# KiCad board Latest-Full-Backplane.kicad_pcb (continued)
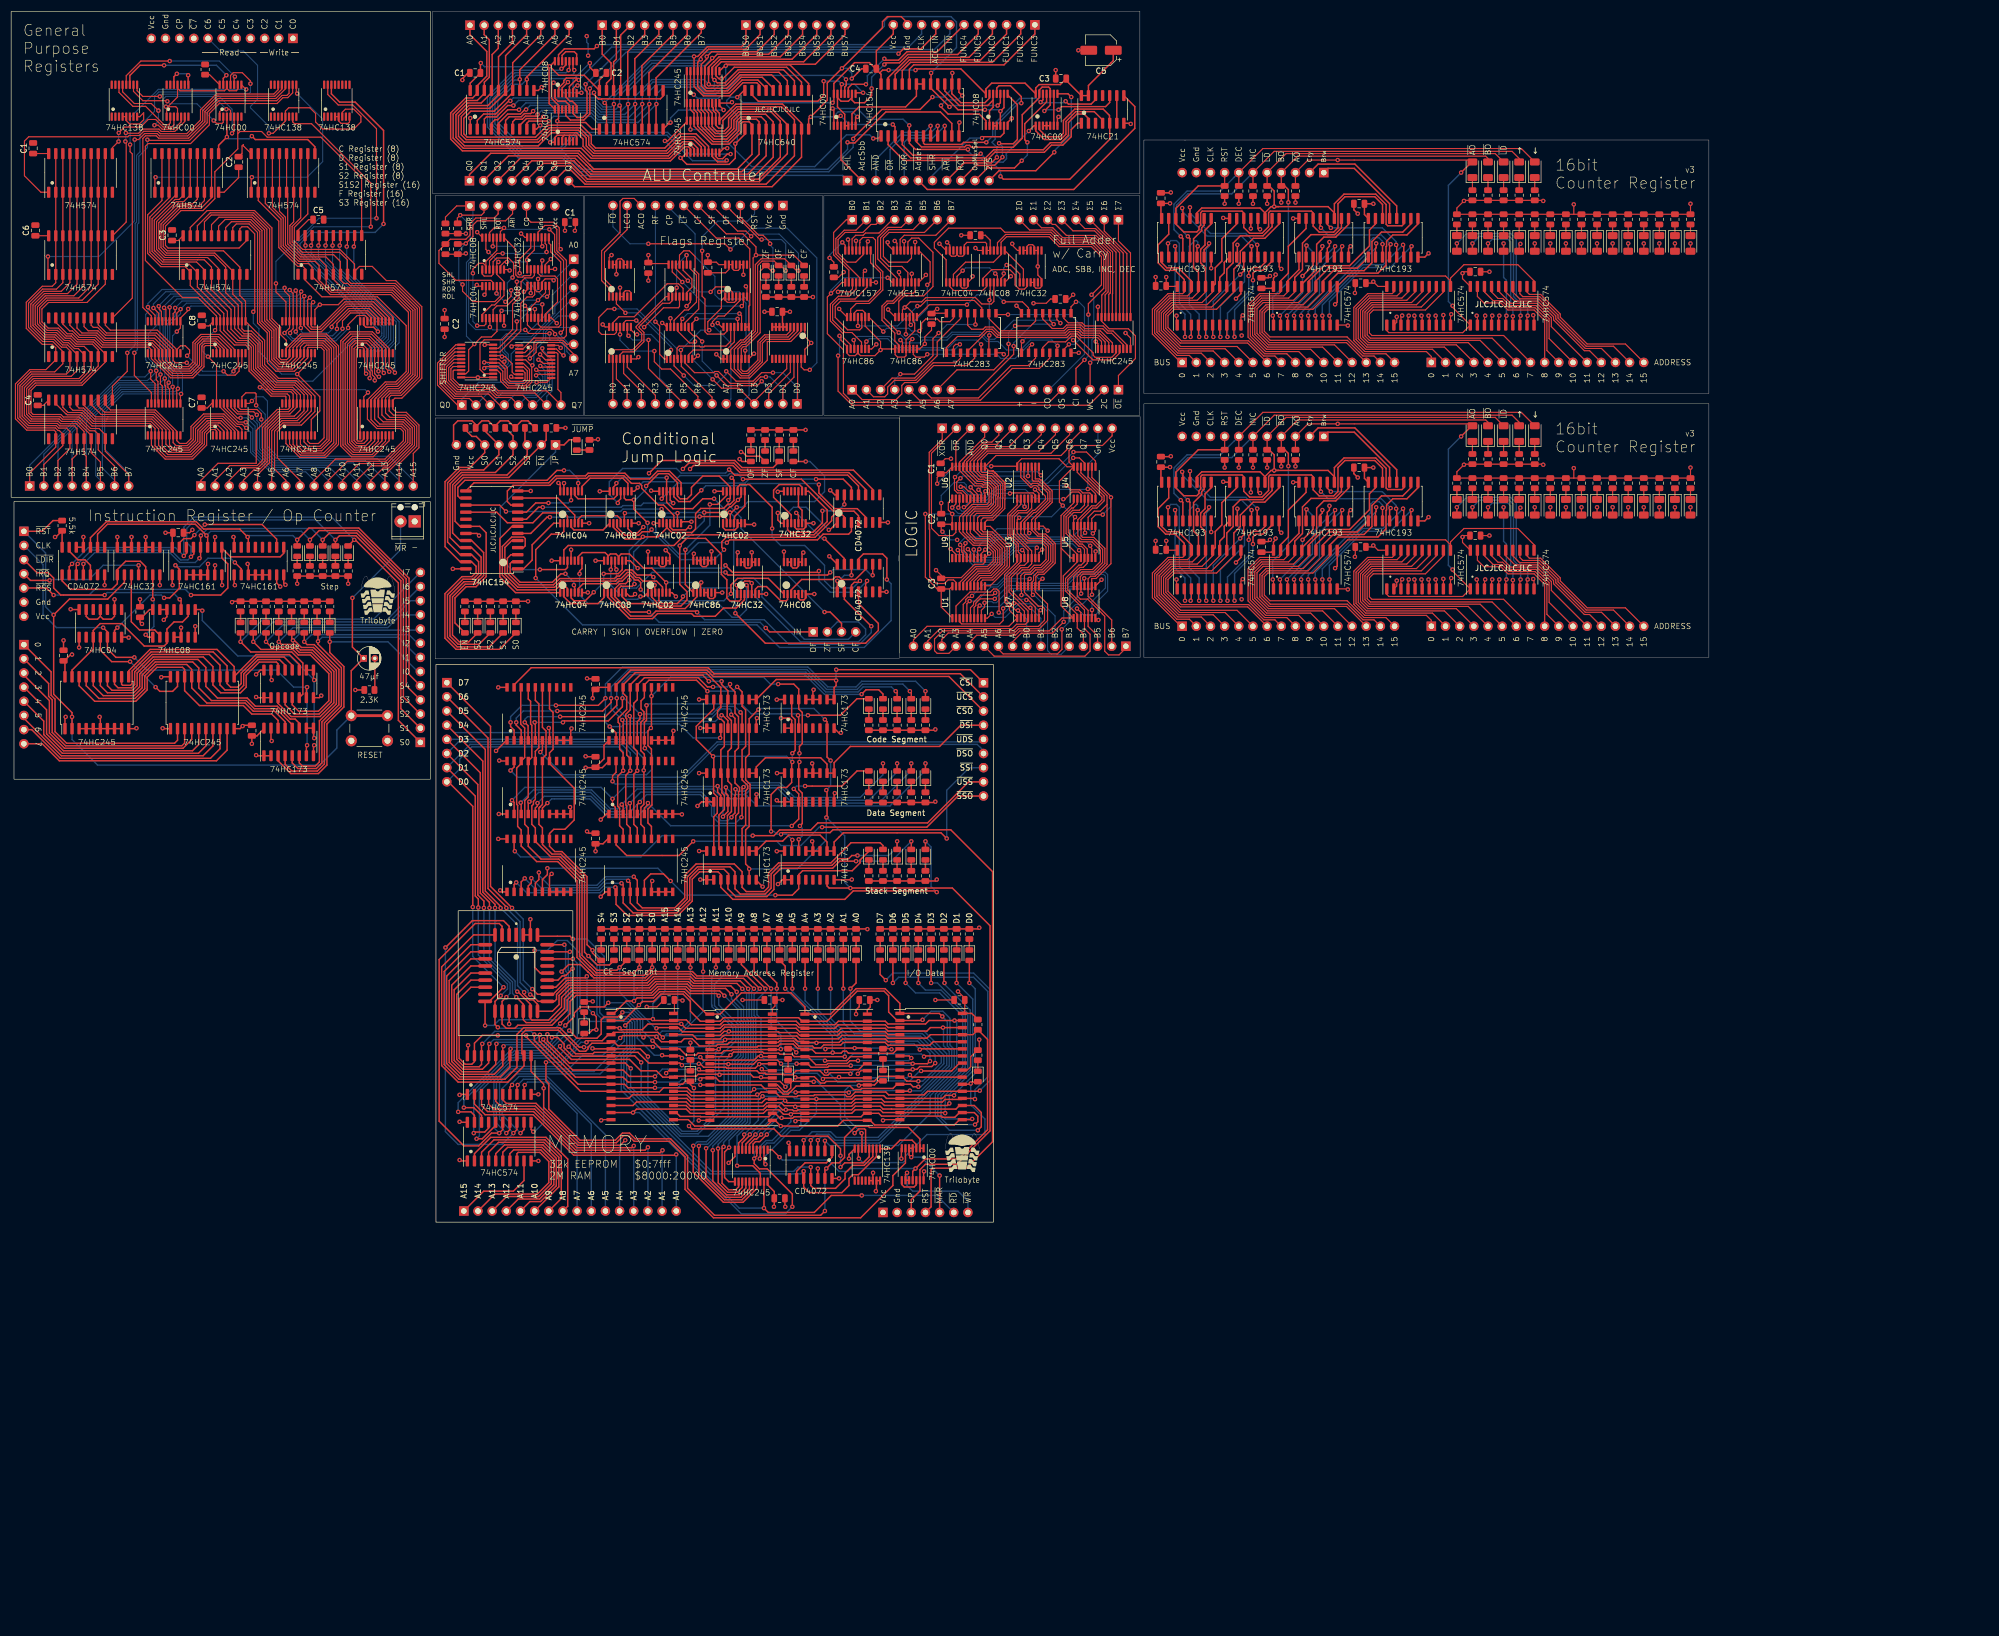
[diagram p0: board, top side]
## Routing (per net, layer and track width the routed paths; a pad name or vN(x,y) marks a point on that pad's centre or on a via; arc(x,y) is an arc through that point) (continued)
~{JNB_JAE_JNC}: length 31.4
  Top w0.25: v1(95.36,128.19) 94.6,128.19 92.44,126.03 U13#2.8 ; U2#8.11 118.22,129.47 v1(118.76,128.93)
  Bottom w0.25: v1(118.76,128.93) 113.43,128.93 112.98,128.48 109.73,128.48 109.44,128.19 v1(95.36,128.19)
~{JNE_JNZ}: length 39.7
  Top w0.25: U13#2.10 89.65,128.57 89.01,129.21 89.01,131.11 90.02,132.12 96.62,132.12 97.87,133.37 103.2,133.37 103.67,133.84 109.91,133.84 111.28,132.48 112.73,132.48 113.11,132.1 113.11,131.59 116.1,128.59 117.02,128.59 118.87,126.73 U2#8.5
~{JNO}: length 38.4
  Top w0.25: U13#2.15 87.62,128.57 v1(88.76,127.43) ; v1(116.67,127.87) 116.92,127.61 U2#8.2
  Bottom w0.25: v1(116.67,127.87) 109.75,127.87 109.31,127.43 v1(88.76,127.43)
~{JNS}: length 43.3
  Top w0.25: U13#2.13 83.02,132.57 96.44,132.57 97.69,133.82 103.02,133.82 103.49,134.29 110.1,134.29 111.11,133.27 114.54,133.27 115.93,134.67 118.11,134.67 120.17,132.6 U2#8.8
~{JO}: length 21.2
  Top w0.25: U13#2.16 87.11,127.31 89,125.41 93.59,125.41 95.36,127.18 99.17,127.18 99.79,126.56 U1#8.3
~{JS}: length 28.8
  Top w0.25: 81.57,129.84 80.5,129.84 80.12,130.23 80.12,131.75 81.39,133.02 96.12,133.02 97.9,134.8 v1(99.17,134.8) ; v1(101.71,132.51) 101.71,131.09 U1#8.9
  Bottom w0.25: v1(99.17,134.8) 100.19,134.8 101.71,133.27 v1(101.71,132.51)
~{J}: length 12.6
  Top w0.25: U13#2.1 91.89,117.15 93.46,118.71 93.46,121.46 97.33,125.33 U1#8.1
~{LATCH_ACCUMULATOR}: length 78.7
  Top w0.25: v1(159.18,209.53) 160.04,210.39 163.19,210.39 165.86,213.06 J5.8 ; U12.11 99.49,198.45 100.31,197.63 102.73,197.63 103.81,198.71 v1(103.81,203.28)
  Bottom w0.25: v1(103.81,203.28) 110.32,209.79 158.91,209.79 v1(159.18,209.53)
~{LATCH_B}: length 79.9
  Top w0.25: U12.9 100.79,198.8 101.51,198.08 102.55,198.08 103.3,198.83 103.3,202.76 103.04,203.02 v1(103.04,204.04)
  Bottom w0.25: J5.7 168.4,213.06 165.59,210.25 109.26,210.25 v1(103.04,204.04)
~{LATCH_CODE_SEG}: length 51.3
  Top w0.25: v1(148.01,99.07) 172.08,99.07 J4#7.1 ; 132.38,93.72 133.66,93.72 137.23,97.3 147.8,97.3 v1(147.98,97.12) 147.98,96.2 147.62,95.85 147.62,93.72 146.35,93.72
  Bottom w0.25: v1(147.98,97.12) 147.98,99.04 v1(148.01,99.07)
~{LATCH_DATA_SEG}: length 50.6
  Top w0.25: J4#7.4 170.35,89.11 166.55,85.31 150.55,85.31 147.62,82.38 147.62,80.52 146.35,80.52 146.35,82.13 145.21,83.27 135.31,83.27 133.66,81.62 133.66,80.52 132.38,80.52
~{LATCH_FLAGS}: length 29.8
  Top w0.2: U1#6.10 132.32,160.52 132.32,164.25 132.5,164.43 132.5,174.51 130.56,176.45 126.49,176.45 J1#6.8
~{LATCH_MAR}: length 17.2
  Top w0.25: J1.5 v1(166.55,8.34) ; 161.07,12.04 v1(161.47,11.65) 161.72,11.9 U1#10.4 U1#10.5 161.07,12.04
  Bottom w0.25: v1(166.55,8.34) 163.25,11.65 v1(161.47,11.65)
~{LATCH_STACK_SEG}: length 58.4
  Top w0.25: v1(167.82,68.8) 166.8,69.81 149.28,69.81 147.62,68.16 147.62,66.55 U21#2.10 146.35,68.16 145.12,69.4 139.47,69.4 138.39,68.33 135.44,68.33 U20.9 U20.10
  Bottom w0.25: v1(167.82,68.8) 167.82,77.43 171.87,81.49 J4#7.7
~{LD_IR}: length 34.2
  Top w0.25: U5#7.10 30.48,111.43 v1(30.23,111.68) ; v1(16.76,112.45) 8.89,112.45 7.62,113.72 7.62,115.49 6.66,116.45 4.63,116.45 J3#7.3
  Bottom w0.25: v1(16.76,112.45) 17.21,112.9 29.01,112.9 v1(30.23,111.68)
~{LOAD}: length 208.1
  Top w0.2: D22.2 266.21,191.61 228.71,191.61 J4#3.5 225.3,185.91 ; D22#3.2 266.21,144.3 228.71,144.3 J4#6.5 225.3,138.61
  Top w0.25: R24#3.2 225.66,138.5 226.57,137.59 v1(226.57,134.8) ; v1(226.57,134.8) 227.33,134.8 ; v1(226.57,134.8) 226.57,134.54 ; 226.57,134.54 226.31,134.8 226.02,134.8 224.92,133.7 U3#4.11 224.92,133.66 224.03,134.54 213.57,134.54 212.72,133.7 U2#6.11 ; 226.57,134.54 226.82,134.8 227.33,134.8 ; U2#5.11 212.72,181 213.57,181.85 224.03,181.85 224.92,180.96 U3#8.11 224.92,181 226.02,182.1 226.31,182.1 226.57,181.85 ; v1(226.57,182.1) 226.57,184.9 225.66,185.81 R24.2 ; v1(226.57,182.1) 227.33,182.1 ; v1(226.57,182.1) 226.57,181.85 ; 227.33,134.8 236.22,134.8 237.36,133.66 U5.11 237.36,135.31 239.08,137.03 244.79,137.03 246.64,135.17 246.64,131.64 246.92,131.36 249.48,131.36 249.81,131.69 U7#3.11 ; 227.33,182.1 236.22,182.1 237.36,180.96 U5#5.11 237.36,182.61 239.08,184.33 244.79,184.33 246.64,182.47 246.64,178.94 246.92,178.66 249.48,178.66 249.81,178.99 U7#6.11 ; 227.33,182.1 226.82,182.1 226.57,181.85
~{OR}: length 43.7
  Top w0.2: JC.2 165.09,137.88 165.09,124.44 166.41,123.12 168.89,123.12 169.46,123.69 U9#5.19
  Top w0.25: U3#2.9 v1(166.2,196.59)
  Bottom w0.25: J3.4 157.65,192.36 160.19,194.9 164.51,194.9 v1(166.2,196.59)
~{RAM_EN0}: length 51.5
  Top w0.25: U3#5.4 153.92,11.72 152.83,10.63 149.53,10.63 v1(148.77,9.87) ; v1(148.77,11.9) 148.77,13.17 146.52,15.42 138.14,15.42 136.83,16.73 122.1,16.73 v1(121.59,17.23) ; U4.22 120.45,24.73 120.98,25.27 D17.2 121.84,24.69 v1(122.48,24.05)
  Bottom w0.25: v1(122.48,24.05) 122.48,18.13 v1(121.59,17.23) ; v1(148.77,9.87) 148.77,9.88 v1(148.77,11.9)
~{RAM_EN1}: length 28.6
  Top w0.25: v1(143.97,25.17) 143.89,25.25 139.49,25.25 D16#3.2 139.84,24.89 139.84,24.06 139.21,23.43 138.64,23.43 137.47,24.6 U5#3.22 ; v1(151.31,15.96) 152.07,16.73 153.09,16.73 153.27,16.54 U3#5.5
  Bottom w0.25: v1(143.97,25.17) 144.65,25.17 148.77,21.04 148.77,18.5 v1(151.31,15.96)
~{RAM_EN2}: length 19.3
  Top w0.25: v1(152.54,15.96) 152.62,15.89 U3#5.6 ; D15#3.2 155.6,25.34 154.86,24.6 U6#8.22 152.17,24.6 v1(152.07,24.5)
  Bottom w0.25: v1(152.54,15.96) 149.53,18.98 149.53,23.59 150.45,24.5 v1(152.07,24.5)
~{RAM_EN3}: length 40.4
  Top w0.25: D14#3.2 173.33,25.11 172.39,25.11 172.01,24.73 U7#8.22 ; v1(152.07,11.39) 151.97,11.49 U3#5.7
  Bottom w0.25: v1(152.07,11.39) 152.79,10.67 159.99,10.67 160.41,11.09 160.41,11.85 164.27,15.71 174.68,15.71 174.68,18.5 172.14,21.04 v1(172.14,24.85)
~{RAM_WRITE}: length 121.7
  Top w0.25: U1#10.11 161.72,9.11 163.95,11.33 169.92,11.33 175.15,16.56 175.15,32.77 R34.1 172.52,33.62 164.9,33.62 164.27,32.99 157.29,32.99 156.79,33.49 U6#8.29 149.02,33.49 148.4,32.87 141.43,32.87 140.92,33.37 136.66,33.37 U5#3.29 127.85,33.49 127.77,33.41 127.74,33.41 127.17,32.84 123,32.84 122.23,33.62 118.81,33.62 ; v1(137.85,11.65) 136.51,12.98 U8#6.1
  Bottom w0.25: v1(137.85,11.65) 138.35,11.14 146.48,11.14 148.51,9.11 150.04,9.11 150.55,9.61 v1(162.23,9.61)
~{READ}: length 124.3
  Top w0.25: U11.25 94.92,44.67 93.9,45.68 v1(93.9,48.73) ; v1(152.58,4.79) 147.12,4.79 144.07,1.74 135.81,1.74 v1(135.04,2.51) U8#6.19
  Bottom w0.25: J1.6 166.04,4.79 v1(152.58,4.79) ; v1(93.9,48.73) 96.19,48.73 97.97,50.51 99.75,50.51 102.03,48.22 102.03,37.81 103.85,35.99 110.53,35.99 110.95,35.57 110.95,31.24 109.46,29.74 109.46,23.65 130.6,2.51 v1(135.04,2.51)
~{RESET_STEP}: length 59.5
  Top w0.25: J3#7.5 6.35,113.72 v1(7.62,112.45) ; U10.9 48.89,119.94 48.26,119.3 39.37,119.3 37.78,120.89 U3#6.9 37.78,119.11 38.86,118.03 38.86,113.72 37.59,112.45 v1(32.26,112.45)
  Bottom w0.25: v1(32.26,112.45) 31.24,113.46 14.99,113.46 13.97,112.45 v1(7.62,112.45)
~{RESET}: length 171.3
  Top w0.25: U4#3.2 20.32,114.73 17.31,111.72 10.45,111.72 v1(7.62,108.89) 7.62,94.67 10.92,91.36 v1(10.92,90.6) U6#10.2 ; SW1.1 61.01,98.88 C5#4.1 61.21,103.12 v1(61.21,111.94) ; J3#7.1 5.59,123.88 7.52,125.8 R1#5.1
  Top w0.5: SW1.1 SW1.1
  Bottom w0.25: J4.2 69.85,120.57 v1(61.21,111.94) ; v1(10.92,90.6) 10.92,86.54 15.49,81.97 55.37,81.97 58.42,85.01 58.42,88.23 SW1.1 ; J3#7.1 6.17,119.99 6.17,110.34 v1(7.62,108.89)
~{ROTATE}: length 30.1
  Top w0.2: J3#4.3 87.36,180.86 87.4,180.82 86.64,180.06 83.34,180.06 82.32,179.04 82.32,177.01 81.56,176.25 78.77,176.25 77.91,175.39 R10#3.1 76.74,174.21 76.74,171.93 79.78,168.88 86.06,168.88 86.46,168.49 U2#3.11
~{SHIFTER_ARI}: length 30.9
  Top w0.25: J3.8 170.97,189.93 175.81,189.93 v1(176.82,190.94) ; U9#3.11 176.8,203.37 177.21,203.79 179.24,203.79 181.2,201.83 v1(181.2,200.65)
  Bottom w0.25: v1(176.82,190.94) 176.82,192.75 175.95,193.62 176.52,194.19 176.52,196.49 180.68,200.65 v1(181.2,200.65)
~{SHIFTER_ROT}: length 24.6
  Top w0.25: v1(177.21,193.47) 177.31,193.37 179.75,193.37 180.5,194.12 180.5,200.38 178.75,202.13 U9#3.8 ; v1(177.82,190.98) 177.82,190.92 176.39,189.48 173.06,189.48 J3.9
  Bottom w0.25: v1(177.21,193.47) 177.82,192.86 v1(177.82,190.98)
~{SHIFTER_SHL}: length 91.1
  Top w0.25: U1#2.11 99.49,207.48 98.83,206.83 v1(98.73,206.83)
  Bottom w0.25: J3.1 149.11,187.69 101.99,187.69 98.87,190.81 91,190.81 85.44,196.37 85.44,201.8 90.19,206.55 98.45,206.55 v1(98.73,206.83)
~{SHIFTER_SHR}: length 18.2
  Top w0.25: v1(174.16,194.39) 174.42,194.64 177.47,194.64 178.1,195.27 U9#3.6
  Bottom w0.25: J3.7 165.27,187.69 171.97,194.39 v1(174.16,194.39)
~{SHL}: length 46.3
  Top w0.2: U2#3.5 87.15,162.07 87.15,159.74 86.13,158.72 84.36,158.72 82.07,156.44 82.07,152.63 81.57,152.13 U5#9.19 ; R11#2.1 80.04,179.17 80.04,180.06 v1(80.55,180.57) 84.36,180.57 84.82,181.03 J3#4.2
  Bottom w0.2: v1(83.09,157.45) 81.67,158.87 81.67,172.1 82.32,172.75 82.32,178.79 v1(80.55,180.57)
~{SHR}: length 53.9
  Top w0.2: R12#5.1 77.91,180.22 79.92,182.22 J3#4.1 ; v1(96.57,159.35) 92.87,159.35 v1(92.23,159.99) ; 96.87,156.58 97.79,156.58 98.95,155.42 v1(99.09,155.42) ; v1(85.88,160.5) 85.88,162.04 U2#3.3
  Bottom w0.2: v1(96.57,159.35) 96.57,158.19 98.16,158.19 99.28,157.07 99.28,155.61 v1(99.09,155.42) ; v1(92.23,159.99) 86.39,159.99 v1(85.88,160.5) 85.43,160.06 83.3,160.06 82.07,161.29 82.07,171.93 82.83,172.69 82.83,181.68 J3#4.1
~{WRITE}: length 18.5
  Top w0.25: U1#10.10 U1#10.9 160.42,8.57 v1(160.71,8.85)
  Bottom w0.25: v1(160.71,8.85) 160.71,6.57 161.72,5.55 169.85,5.55 171.63,3.77 J1.7
~{XOR}: length 51.2
  Top w0.2: U1#3.19 169.49,114.73 169.05,115.17 168.06,115.17 167.41,114.52 165.94,114.52 164.76,115.69 164.76,124.2 164.69,124.28 164.69,138.04 167.01,140.37 JC.1
  Top w0.25: U3#2.10 v1(167.47,196.59)
  Bottom w0.25: J3.5 160.19,193.63 160.96,194.39 165.27,194.39 v1(167.47,196.59)
Net-(C5-Pad2): length 5.7
  Top w0.25: C5#4.2 65.24,95.49 R15#2.1
Net-(D1-Pad1): length 12.2
  Top w0.25: D1.1 R2#2.1 ; D1#2.1 101.48,138.46 R1#7.1 ; D1#5.1 R1#3.1 ; 105.84,48.77 105.84,50.73 ; R2#3.1 D1#4.1 ; R2.1 D1#3.1
Net-(D2-Pad1): length 11.9
  Top w0.2: R3#6.1 D2.1 ; R3#3.1 D2#4.1
  Top w0.25: D2#5.1 R2#5.1 ; D2#2.1 R2#4.1 ; 43.43,107.66 43.43,109.62 ; 108.13,50.73 108.13,48.77
Net-(D3-Pad1): length 11.9
  Top w0.2: R4.1 D3#3.1 ; R4#2.1 D3#4.1
  Top w0.25: 45.72,107.66 45.72,109.62 ; R3#2.1 D3.1 ; D3#2.1 R3#4.1 ; 110.41,48.77 110.41,50.73
Net-(D4-Pad1): length 11.9
  Top w0.2: D4#5.1 R5#5.1 ; D4#6.1 R5.1
  Top w0.25: D4#2.1 R4#6.1 ; R4#5.1 D4.1 ; 112.7,50.73 112.7,48.77 ; 48.01,107.66 48.01,109.62
Net-(D5-Pad1): length 9.9
  Top w0.2: R6#4.1 D5#2.1 ; R6#5.1 D5#5.1
  Top w0.25: R5#3.1 D5.1 ; 50.29,107.66 50.29,109.62 ; 114.99,48.77 114.99,50.73
Net-(D6-Pad1): length 9.9
  Top w0.2: D6#5.1 R7#4.1 ; D6#2.1 R7.1
  Top w0.25: D6#4.1 R6#3.2 ; R6.1 D6.1 ; 52.58,107.4 52.58,109.36
Net-(D7-Pad1): length 9.9
  Top w0.2: R8#3.1 D7#2.1 ; R8.1 D7.1
  Top w0.25: D7#5.1 R7#3.2 ; 54.86,107.66 54.86,109.62 ; D7#3.1 R7#2.1
Net-(D8-Pad1): length 9.9
  Top w0.2: D8#4.1 R9.1 ; D8#3.1 R9#3.1
  Top w0.25: R8#4.1 D8.1 ; R8#2.2 D8#2.1 ; 57.15,107.66 57.15,109.62
Net-(D9-Pad1): length 9.6
  Top w0.2: R10#5.1 D9#4.1 ; R10#2.1 D9#3.1
  Top w0.25: D9.1 R10#6.1 ; D9#5.1 R9#2.2 ; D9#2.1 R9#4.1
Net-(D10-Pad1): length 9.6
  Top w0.2: D10#5.1 R11#6.1 ; D10#4.1 R11#4.1
  Top w0.25: R11#5.1 D10#2.1 ; R10#4.1 D10.1 ; R10.2 D10#3.1
Net-(D11-Pad1): length 7.7
  Top w0.2: R12#4.1 D11.1 ; R12#6.1 D11#3.1
  Top w0.25: D11#4.1 R12#2.1 ; D11#2.1 R11#3.2
Net-(D12-Pad1): length 7.7
  Top w0.2: D12.1 R13#2.1 ; D12#3.1 R13.1
  Top w0.25: R12#3.2 D12#4.1 ; R13#4.1 D12#2.1
Net-(D13-Pad1): length 7.7
  Top w0.2: D13#3.1 R14.1 ; D13#4.1 R14#2.1
  Top w0.25: D13#2.1 R13#5.2 ; D13.1 R14#5.1
Net-(D14-Pad1): length 6
  Top w0.2: R15#4.1 D14.1 ; R14#3.2 D14#3.1 ; R15.1 D14#2.1
Net-(D15-Pad1): length 6.1
  Top w0.2: D15#3.1 R15#5.2 ; D15#2.1 R16#2.1 ; D15.1 R16.1
Net-(D16-Pad1): length 6
  Top w0.2: R19.1 D16.1 ; R19#2.1 D16#2.1 ; R16#3.2 D16#3.1
Net-(D17-Pad1): length 2
  Top w0.2: R17#3.2 D17.1
Net-(D18-Pad1): length 6.5
  Top w0.2: R20.1 D18.1 ; R20#3.1 D18#2.1
  Top w0.25: 117.27,48.77 117.27,50.73
Net-(D19-Pad1): length 6.5
  Top w0.2: D19#2.1 R21#3.1 ; D19#3.1 R21.1
  Top w0.25: 119.56,48.77 119.56,50.73
Net-(D20-Pad1): length 6.5
  Top w0.2: D20#3.1 R22.1 ; D20#2.1 R22#2.1
  Top w0.25: 121.84,50.73 121.84,48.77
Net-(D21-Pad1): length 6.5
  Top w0.2: R23#3.1 D21#2.1 ; R23.1 D21.1
  Top w0.25: 124.13,48.77 124.13,50.73
Net-(D22-Pad1): length 6.5
  Top w0.2: D22.1 R17.1 ; D22#3.1 R17#2.1
  Top w0.25: 126.42,50.73 126.42,48.77
Net-(D23-Pad1): length 2
  Top w0.25: 128.7,48.77 128.7,50.73
Net-(D24-Pad1): length 2
  Top w0.25: 130.99,50.73 130.99,48.77
Net-(D25-Pad1): length 2
  Top w0.25: 133.27,48.77 133.27,50.73
Net-(D26-Pad1): length 2
  Top w0.25: 135.56,48.77 135.56,50.73
Net-(D27-Pad1): length 2
  Top w0.25: 137.85,48.77 137.85,50.73
Net-(D28-Pad1): length 2
  Top w0.25: 140.13,50.73 140.13,48.77
Net-(D29-Pad1): length 2
  Top w0.25: 142.42,48.77 142.42,50.73
Net-(D30-Pad1): length 2
  Top w0.25: 144.7,50.73 144.7,48.77
Net-(D31-Pad1): length 2
  Top w0.25: 146.99,48.77 146.99,50.73
Net-(D32-Pad1): length 2
  Top w0.25: 149.28,50.73 149.28,48.77
Net-(D33-Pad1): length 2
  Top w0.25: 151.56,48.77 151.56,50.73
Net-(D34-Pad1): length 2
  Top w0.25: 102.79,37.76 102.79,35.8
Net-(D35-Pad1): length 2
  Top w0.25: 153.85,77.21 153.85,79.17
Net-(D36-Pad1): length 2
  Top w0.25: 156.39,79.17 156.39,77.21
Net-(D37-Pad1): length 2
  Top w0.25: 158.93,77.21 158.93,79.17
Net-(D38-Pad1): length 2
  Top w0.25: 161.47,79.17 161.47,77.21
Net-(D39-Pad1): length 2
  Top w0.25: 164.01,77.21 164.01,79.17
Net-(D40-Pad1): length 2
  Top w0.25: R41.2 D40.1
Net-(D41-Pad1): length 2
  Top w0.25: D41.1 R42.2
Net-(D42-Pad1): length 2
  Top w0.25: R43.2 D42.1
Net-(D43-Pad1): length 2
  Top w0.25: D43.1 R44.2
Net-(D44-Pad1): length 2
  Top w0.25: R45.2 D44.1
Net-(D45-Pad1): length 2
  Top w0.25: 153.85,62.99 153.85,64.95
Net-(D46-Pad1): length 2
  Top w0.25: 156.39,64.95 156.39,62.99
Net-(D47-Pad1): length 2
  Top w0.25: 158.93,62.99 158.93,64.95
Net-(D48-Pad1): length 2
  Top w0.25: 161.47,64.95 161.47,62.99
Net-(D49-Pad1): length 2
  Top w0.25: 164.01,62.99 164.01,64.95
Net-(U1-Pad1): length 4.8
  Top w0.25: U1#2.1 97.54,201.55 98.09,200.99 99.43,200.99 100.14,200.28 U12.10
Net-(U1-Pad2): length 22.5
  Top w0.2: U1#3.2 169.49,110.47 172,112.99 175.67,112.99 176.22,113.54 176.8,113.54 177.21,113.13 177.21,109.37 v1(177.16,109.32) ; U7.3 181.76,109.56 180.33,110.99 v1(179.87,110.99)
  Bottom w0.2: v1(177.16,109.32) 177.39,109.09 177.97,109.09 v1(179.87,110.99)
Net-(U1-Pad3): length 33
  Top w0.2: U4#7.9 95.79,176.56 95.79,175.49 96.04,175.23 v1(96.04,173.96) ; U1#5.3 85.81,172.37 87.15,173.71 v1(88.17,173.71)
  Top w0.25: U1#10.3 162.37,13.93 161.6,14.69 159.44,14.69 157.91,13.17 U3#5.1 ; v1(99.87,204.43) 98.84,203.39 U1#2.3 ; U2#9.11 94.57,202.93 v1(95.17,203.53)
  Bottom w0.2: v1(96.04,173.96) 95.79,173.71 v1(88.17,173.71)
  Bottom w0.25: v1(95.17,203.53) 96.69,205.06 99.24,205.06 v1(99.87,204.43)
Net-(U1-Pad4): length 50.1
  Top w0.2: U3#7.2 150.59,157.31 149.29,158.61 149.29,159.26 146.96,161.6 146.96,164.6 148.39,166.04 150.31,166.04 151.57,167.3 151.57,168.51
  Top w0.25: v1(25.91,95.94) 26.67,95.17 28.96,95.17 29.84,96.06 U7#9.19 ; U1#2.4 99.49,201.76 100.26,200.99 100.67,200.99 101.44,200.22 U12.8 ; U3#10.1 106.18,124.13 100.95,124.13 100.44,124.64 U1#8.4 ; U1#7.4 16,102.54 18.03,100.51 v1(21.34,100.51)
  Bottom w0.25: v1(25.91,95.94) v1(21.34,100.51)
Net-(U1-Pad6): length 64.8
  Top w0.25: v1(101.6,203.82) 101.35,203.82 100.79,203.26 U1#2.6 ; v1(104.55,202.52) 104.45,202.42 104.45,202.27 105.35,201.37 105.9,201.37 105.95,201.42 116.45,201.42 116.95,201.93 U4#5.11 ; v1(40.13,118.29) 41.27,117.15 U10.2 ; v1(29.46,117.78) 30.16,117.08 U3#6.2 30.16,113.66 28.45,111.94 v1(27.43,111.94) ; U1#8.6 101.74,126.07 102.34,126.67 108.73,126.67 109.33,126.07 U3#10.4 ; v1(19.05,106.6) 18.54,106.1 U1#7.6
  Bottom w0.25: v1(19.05,106.6) 24.89,112.45 26.92,112.45 v1(27.43,111.94) ; v1(104.55,202.52) 104.3,202.27 103.6,202.27 101.95,203.92 101.7,203.92 v1(101.6,203.82) ; v1(29.46,117.78) 29.72,117.53 33.78,117.53 35.31,119.05 39.37,119.05 v1(40.13,118.29)
Net-(U1-Pad7): length 19.1
  Top w0.2: U3#7.5 152.54,157.79 150.81,159.52 149.6,159.52 147.36,161.76 147.36,164.44 148.45,165.53 151.38,165.53 153.52,167.67 U1.7
Net-(U1-Pad8): length 23.1
  Top w0.2: U1#5.8 90.51,174.43 90.51,169.86 90.92,169.45 91.71,169.45 91.98,169.72 93.07,169.72 93.21,169.86 U4#7.2
  Top w0.25: U1#8.8 102.39,131.92 103.86,133.39 109.72,133.39 110.63,132.48 U3#10.9
Net-(U1-Pad9): length 26.8
  Top w0.2: U3#7.10 152.59,162.25 152.59,160.37 152.23,160.01 150.05,160.01 147.83,162.23 147.83,164.2 148.76,165.13 153.78,165.13 155.96,167.31 155.96,170.24 154.17,172.03 U1.9
Net-(U1-Pad10): length 9.6
  Top w0.25: U3#10.12 108.68,130.34 108.06,129.72 101.69,129.72 101.09,130.32 U1#8.10
Net-(U1-Pad11): length 12.1
  Top w0.2: v1(86.39,174.98) 86.46,175.05 U1#5.11 ; U4#7.10 95.16,175.1 v1(95.28,174.98)
  Bottom w0.2: v1(86.39,174.98) v1(95.28,174.98)
Net-(U1-Pad12): length 33
  Top w0.2: U3#7.13 150.59,163.72 151.6,164.73 153.94,164.73 156.36,167.14 156.36,170.41 155.05,171.72 155.05,176.09 154.58,176.56 152.76,176.56 152.25,176.05 152.25,175.64 152.22,175.61 U1.12
  Top w0.25: U1#10.12 162.37,6.71 161.98,6.31 160.2,6.31 159.77,6.74 U1#10.8 ; U1#2.12 98.84,209.23 99.49,209.88 101.01,209.88 101.44,209.46 U1#2.8
Net-(U2-Pad1): length 9.8
  Top w0.25: U2#2.1 147.24,11.65 146.23,10.63 142.41,10.63 140.89,9.11 U2#2.9
Net-(U2-Pad4): length 29.7
  Top w0.2: U3#3.13 93.26,166.65 v1(93.21,166.6) ; U4#10.2 159.23,157.31 158.51,158.03 158.51,159.42 156.21,161.72 156.21,164.26 157.12,165.17 158.13,165.17 160.2,167.24 U2#4.4 ; U2#3.4 86.46,163.62 87.15,164.31 88.93,164.31 90.71,166.09 v1(90.71,168.63)
  Bottom w0.2: v1(90.71,168.63) 91.72,168.63 93.21,167.14 v1(93.21,166.6)
Net-(U2-Pad6): length 11.6
  Top w0.2: U3#3.5 95.28,162.23 v1(95.28,164.57) ; U2#3.6 87.76,163.22 v1(87.97,163.43)
  Bottom w0.2: v1(87.97,163.43) 92.28,163.43 93.41,164.57 v1(95.28,164.57)
Net-(U2-Pad7): length 18.9
  Top w0.2: U4#10.5 161.18,157.88 v1(161.66,158.36) ; v1(159.21,159.52) 156.61,162.12 156.61,164.1 157.28,164.77 158.3,164.77 160.08,166.55 161.8,166.55 162.15,166.9 U2#4.7
  Bottom w0.2: v1(159.21,159.52) 159.21,159.5 160.36,158.36 v1(161.66,158.36)
Net-(U2-Pad9): length 17.1
  Top w0.2: v1(161.38,160.89) 161.18,161.09 U4#10.10 ; U2#4.9 164.85,172.19 164.85,168.58 v1(164.34,168.07)
  Bottom w0.2: v1(161.38,160.89) 164.34,163.85 v1(164.34,168.07)
Net-(U2-Pad12): length 63
  Top w0.2: U2#4.12 160.85,175.76 161.54,176.45 162.81,176.45 165.35,173.91 165.35,167.76 163.7,166.1 160.2,166.1 159.23,165.13 U4#10.13
  Top w0.25: U2#5.12 v1(211.45,181.98) ; v1(223.52,175.24) 223.52,173.18 U3#8.5 ; U3#4.5 223.52,125.87 v1(223.52,127.94) ; U2#6.12 v1(211.45,134.67)
  Bottom w0.25: v1(223.52,175.24) 221.49,177.28 215.14,177.28 211.45,180.96 v1(211.45,181.98) ; v1(223.52,127.94) 221.49,129.97 215.14,129.97 211.45,133.66 v1(211.45,134.67)
Net-(U2-Pad13): length 46.3
  Top w0.25: U2#5.13 210.19,181.72 v1(210.06,181.85) ; U2#11.13 10.41,120.33 11.98,118.76 13.25,118.76 14.22,117.79 U2#11.5 ; v1(222.5,127.69) 222.5,125.87 U3#4.4 ; v1(222.5,174.99) 222.5,173.18 U3#8.4 ; U2#6.13 210.19,134.42 v1(210.06,134.54)
  Bottom w0.25: v1(222.5,127.69) 220.67,129.52 214.51,129.52 210.06,133.98 v1(210.06,134.54) ; v1(210.06,181.85) 210.06,181.28 214.51,176.83 220.67,176.83 v1(222.5,174.99)
Net-(U3-Pad3): length 31.7
  Top w0.2: U3#3.3 93.91,163.68 v1(93.96,163.72) ; v1(168.51,120.72) 169.46,119.77 U9#5.2 ; v1(181.36,120.52) 181.76,120.12 U3#9.3 ; v1(90.71,161.52) 90.71,159.99 87.39,156.68 86.46,156.68